# KiCad board DOOR-8CH.kicad_pcb (continued)
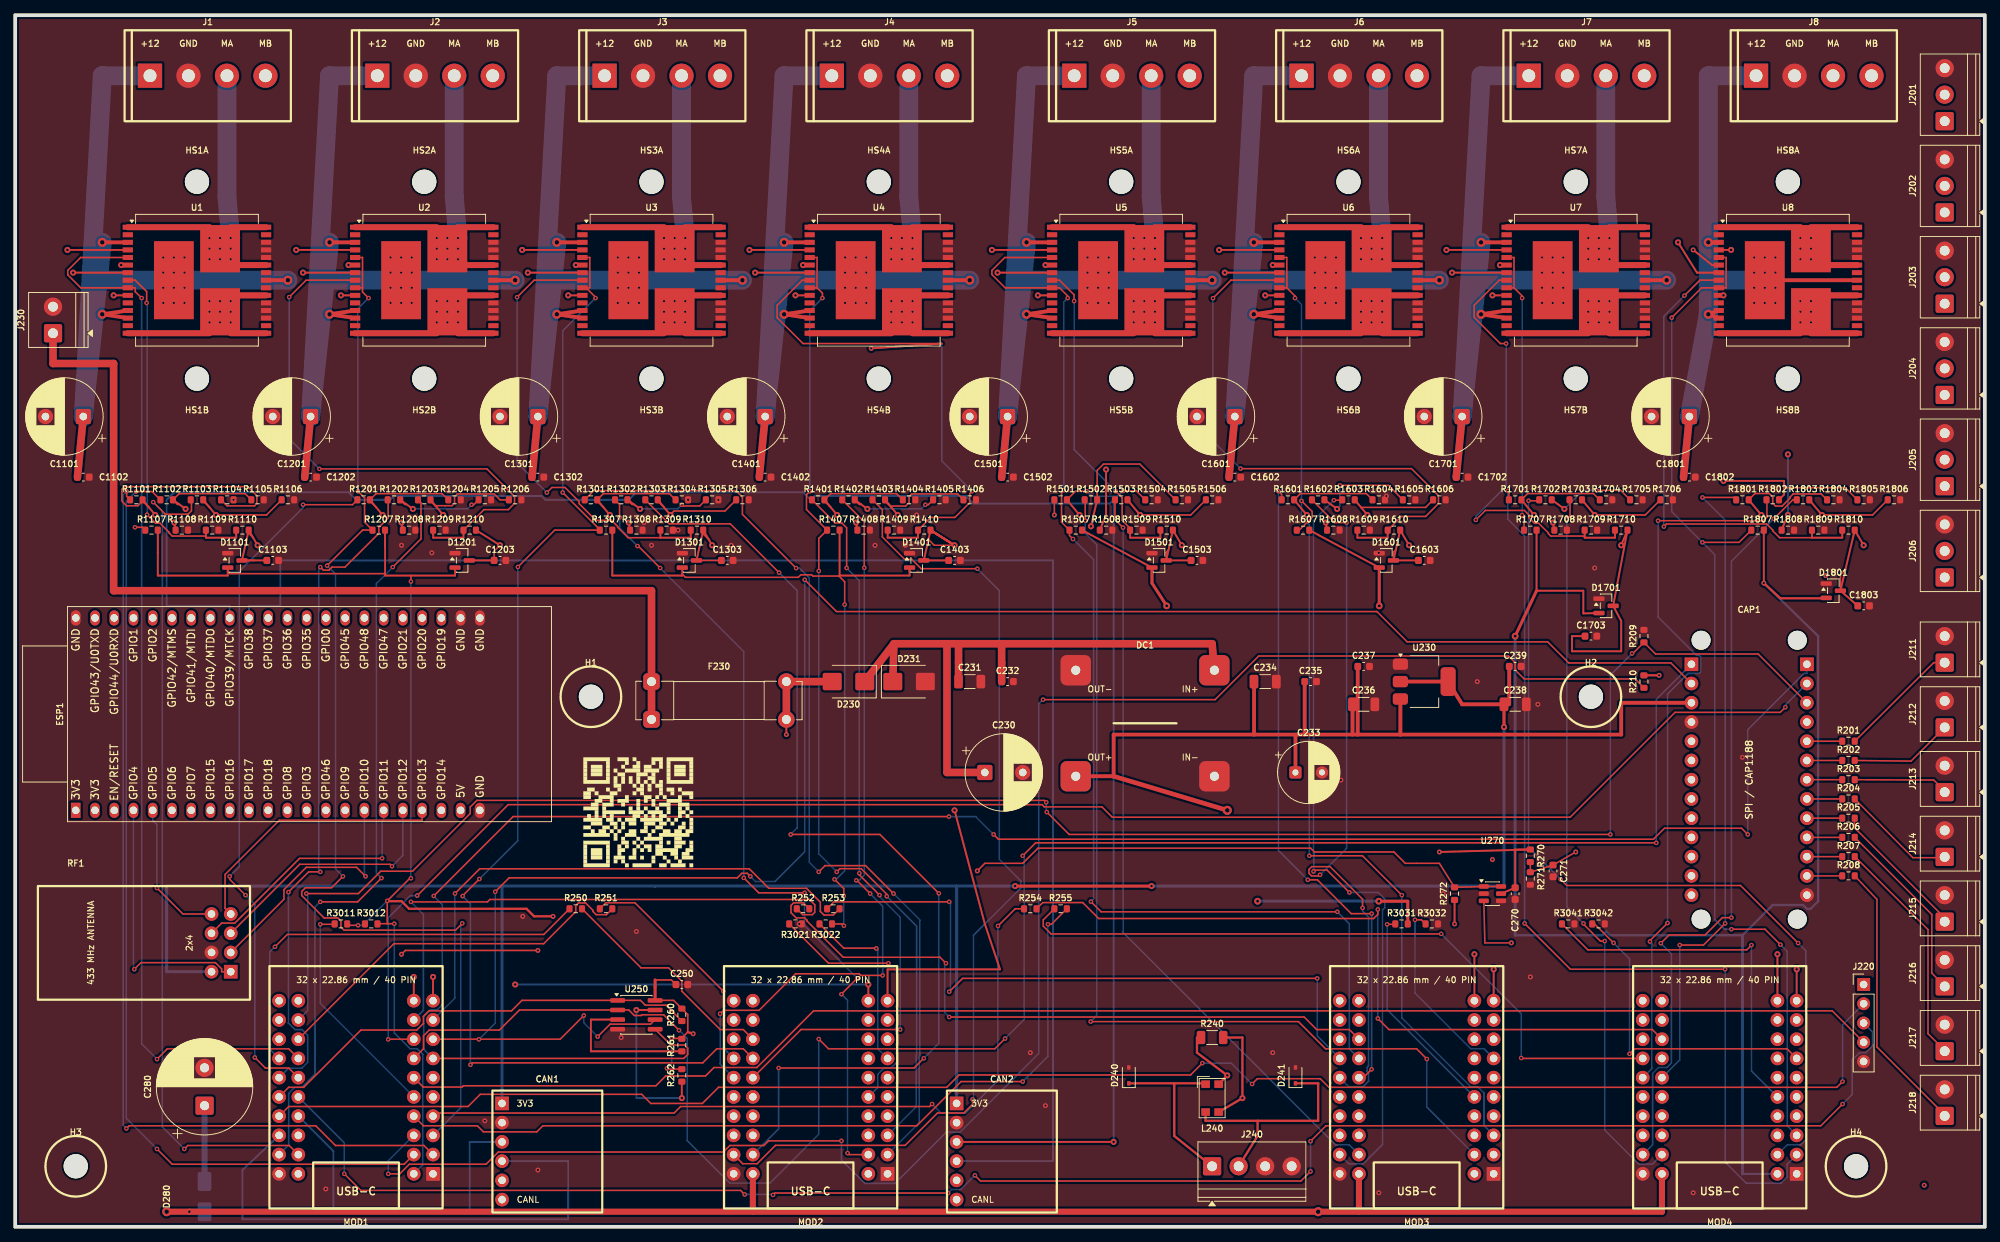
[diagram p0: board, top side]
## Routing (per net, layer and track width the routed paths; a pad name or vN(x,y) marks a point on that pad's centre or on a via; arc(x,y) is an arc through that point) (continued)
CH5_CS_DIS: length 44
  Top w0.25: v4(144,100) 144,94 R1508.1 ; U5.6 v4(136,127)
  In1.Cu w0.25: v4(136,127) 136,100 v4(144,100)
CH5_CS_RAW: length 43.8
  Top w0.2: v1(139.78,122.25) 139.78,123.07 137.85,125 U5.8 ; R1509.1 147.18,92.25 146.12,93.3 146.12,96.3 v1(145.28,97.14)
  Top w0.25: R1509.1 147.18,91 151.18,91 R1510.1
  Bottom w0.2: v1(145.28,97.14) 139.78,102.64 v1(139.78,122.25)
CH5_CURRENT_ADC: length 110
  Top w0.2: D1501.3 151.94,89.08 152.25,89.39
  Top w0.25: v4(154,90) R1510.2 152.25,89.39 D1501.3 C1503.1 ; v4(192.62,36) MOD3.20
  In1.Cu w0.25: v4(154,90) 154,36 v4(192.62,36)
CH5_DIAG: length 156.2
  Top w0.2: v1(138.42,97.27) 138.12,96.97 138.12,93.05 R1507.1 139.18,91.28 v1(139.63,90.82) ; v1(142,42.95) 143.35,41.6 v1(174.52,41.6) ; v1(138.94,122.64) 138.94,122.91 137.85,124 U5.9 130.68,124 128.93,125.75 128.93,126.29 130.64,128 U5.5
  Bottom w0.2: v1(138.94,122.64) 138.42,122.13 v1(138.42,97.27) ; v1(142,42.95) 142.36,43.3 142.36,88.1 v1(139.63,90.82) ; MOD3.27 176.11,23.51 176.11,40.01 v1(174.52,41.6)
CH5_INA: length 77
  Top w0.2: R1504.1 148.01,97.17 v1(146.24,97.17) ; R1501.2 139.96,97.14 v1(141.45,97.14)
  Top w0.25: U5.4 v4(128.93,129) ; v4(140.5,94) R1501.2
  In2.Cu w0.25: v4(140.5,94) 140.5,90 128.93,90 v4(128.93,129)
  Bottom w0.2: v1(146.24,97.17) 145.55,96.48 142.1,96.48 v1(141.45,97.14)
CH5_INA_MCU: length 121.1
  Top w0.2: R1501.1 v2(137.18,94)
  In1.Cu w0.2: v2(137.18,94) 138,95 150.5,95 196.5,49 196.5,11 195,9.5 MOD3.2
CH5_INB: length 59.5
  Top w0.2: R1502.2 142.82,99.88 143.66,100.72 148.45,100.72 R1505.1
  Top w0.25: v4(142,92.5) R1502.2 ; U5.10 v4(135,123)
  In2.Cu w0.25: v4(142,92.5) 142,94.8 135,94.8 v4(135,123)
CH5_INB_MCU: length 131.5
  Top w0.2: R1502.1 141.25,95.92 v1(141.25,93.25) ; v1(141.97,27.1) 169.39,27.1 172.98,23.51 184.99,23.51 v1(186.34,22.16)
  Bottom w0.2: v1(186.34,22.16) 186.34,15.82 MOD3.12 ; v1(141.97,27.1) 142.76,27.9 142.76,90.08 141.25,91.6 v1(141.25,93.25)
CH5_OUTA: length 58.4
  Top w0.8: U5.25 150.45,127 ; U5.30 150.45,132 ; U5.1 147.65,132
  Bottom w0.5: v2(149.05,129.16) v2(150.45,129.16) ; v2(149.05,129.16) v2(149.05,127.77) ; v2(149.05,129.16) v2(147.65,129.16) ; v2(149.05,129.16) v2(149.05,130.56) ; v2(150.45,129.16) v2(150.45,130.56) v2(149.05,130.56) ; v2(150.45,129.16) v2(150.45,127.77) v2(149.05,127.77) ; v2(149.05,127.77) v2(147.65,127.77) v2(147.65,129.16) ; v2(149.05,130.56) v2(147.65,130.56) v2(147.65,129.16)
  Bottom w2.5: J5.3 149.96,136 v2(150.45,130.56)
CH5_OUTB: length 80.3
  Top w0.8: U5.21 150.45,123 ; U5.16 150.45,118 ; U5.15 147.65,118
  In1.Cu w0.5: v2(147.65,120.84) v2(147.65,119.44) v2(149.05,119.44) ; v2(147.65,120.84) v2(147.65,122.23) v2(149.05,122.23) ; v2(147.65,120.84) v2(149.05,120.84) ; v2(150.45,120.84) v2(150.45,119.44) v2(149.05,119.44) ; v2(150.45,120.84) v2(150.45,122.23) v2(149.05,122.23) ; v2(150.45,120.84) v2(149.05,120.84) ; v2(149.05,122.23) v2(149.05,120.84) ; v2(149.05,120.84) v2(149.05,119.44)
  In1.Cu w2.5: J5.4 155.04,115 v2(150.45,119.44)
CH5_PWM: length 82.1
  Top w0.2: R1506.1 155.18,94 v4(148.5,94)
  Top w0.25: v4(148.5,94) R1503.2 ; U5.7 v4(129.68,126)
  In1.Cu w0.25: v4(129.68,126) 129.68,88 148.5,88 v4(148.5,94)
CH5_PWM_MCU: length 100.9
  Top w0.2: R1503.1 145.18,93.4 v1(146.24,92.33)
  Bottom w0.2: v1(146.24,92.33) 146.24,38.88 174.31,10.81 176.11,10.81 MOD3.22
CH6_CS_DIS: length 42.9
  Top w0.25: v4(173,93) R1608.1 ; U6.6 v4(166,127)
  In1.Cu w0.25: v4(173,93) 166,93 v4(166,127)
CH6_CS_RAW: length 76.6
  Top w0.2: R1610.1 182.98,93.8 186.18,93.8 187.88,95.51 187.88,96.55 184.31,100.12 v1(161.75,100.12) ; v1(158.11,122.63) 160.49,125 U6.8
  Top w0.25: R1610.1 181.18,91 177.18,91 R1609.1
  Bottom w0.2: v1(161.75,100.12) 158.11,103.76 v1(158.11,122.63)
CH6_CURRENT_ADC: length 82.5
  Top w0.2: 182.25,89.39 181.94,89.08 D1601.3
  Top w0.25: v4(184,90) R1610.2 182.25,89.39 D1601.3 C1603.1 ; v4(195.16,34) MOD3.10
  In2.Cu w0.25: v4(195.16,34) 184,34 v4(184,90)
CH6_DIAG: length 139.3
  Top w0.2: 167.85,124 168.94,122.91 v1(168.94,122.64) ; 167.85,124 167.85,128 U6.5 ; 167.85,124 U6.9 ; R1607.1 169.5,92 171.2,93.7 171.2,94.46 v1(169.79,95.87) ; v1(183.04,43.8) 177.84,49 v1(170.83,49)
  Bottom w0.2: v1(170.83,49) 170.83,92.67 169.79,93.7 v1(169.79,95.87) 169.79,121.79 v1(168.94,122.64) ; v1(183.04,43.8) 183.04,27.58 192.12,18.5 193.07,18.5 193.89,17.68 193.89,13.35 MOD3.3
CH6_INA: length 76.2
  Top w0.2: R1601.2 169.65,96.82 178.35,96.82 R1604.1
  Top w0.25: U6.4 v4(158.93,129) ; v4(170.5,94) R1601.2
  In2.Cu w0.25: v4(158.93,129) 158.93,90 170.5,90 v4(170.5,94)
CH6_INA_MCU: length 87.2
  Top w0.2: MOD3.26 177.95,19.7 v1(179.05,20.8) ; v1(166.76,97.14) 167.18,96.72 R1601.1 ; v1(179.05,41.36) 176.36,41.36 171.9,45.82 v1(170.63,45.82)
  Bottom w0.2: v1(166.76,97.14) 166.76,49.7 v1(170.63,45.82) ; v1(179.05,20.8) v1(179.05,41.36)
CH6_INB: length 54
  Top w0.2: R1605.1 181.26,97.91 v1(174.87,97.91)
  Top w0.25: U6.10 v4(165,123) ; v4(174.5,94.8) R1602.2
  In2.Cu w0.25: v4(165,123) 165,94.8 v4(174.5,94.8)
  Bottom w0.2: v4(174.5,94.8) 174.87,95.17 v1(174.87,97.91)
CH6_INB_MCU: length 94.1
  Top w0.2: v1(175.75,93) 174.18,93 R1602.1 ; v1(172.24,46.49) 172.09,46.34 171.13,46.34 170.78,46.69 170.78,47.19 171.16,47.56 173.57,47.56 177.86,43.27 v1(177.86,42.12)
  Bottom w0.2: MOD3.36 176.04,18.5 177.91,18.5 178.65,19.23 178.65,20.35 178.45,20.55 178.45,21.05 178.65,21.25 178.65,40.91 177.86,41.7 v1(177.86,42.12) ; v1(172.24,46.49) 175.75,50 v1(175.75,93)
CH6_OUTA: length 58.4
  Top w0.8: U6.25 180.45,127 ; U6.30 180.45,132 ; U6.1 177.65,132
  Bottom w0.5: v2(179.05,130.56) v2(179.05,129.16) ; v2(179.05,130.56) v2(180.45,130.56) v2(180.45,129.16) ; v2(179.05,130.56) v2(177.65,130.56) v2(177.65,129.16) ; v2(179.05,129.16) v2(177.65,129.16) ; v2(179.05,129.16) v2(180.45,129.16) ; v2(179.05,129.16) v2(179.05,127.77) ; v2(177.65,129.16) v2(177.65,127.77) v2(179.05,127.77) ; v2(180.45,129.16) v2(180.45,127.77) v2(179.05,127.77)
  Bottom w2.5: J6.3 179.96,136 v2(180.45,130.56)
CH6_OUTB: length 80.3
  Top w0.8: U6.21 180.45,123 ; U6.16 180.45,118 ; U6.15 177.65,118
  In1.Cu w0.5: v2(180.45,120.84) v2(180.45,122.23) v2(179.05,122.23) ; v2(180.45,120.84) v2(180.45,119.44) v2(179.05,119.44) ; v2(180.45,120.84) v2(179.05,120.84) ; v2(179.05,122.23) v2(179.05,120.84) ; v2(179.05,122.23) v2(177.65,122.23) v2(177.65,120.84) ; v2(179.05,120.84) v2(177.65,120.84) ; v2(179.05,120.84) v2(179.05,119.44) ; v2(179.05,119.44) v2(177.65,119.44) v2(177.65,120.84)
  In1.Cu w2.5: v2(180.45,119.44) 185.04,115 J6.4
CH6_PWM: length 82.6
  Top w0.2: R1606.1 186.18,95 177.66,95
  Top w0.25: v4(178.5,94) 177.66,95 R1603.2 ; U6.7 v4(159.68,126)
  In1.Cu w0.25: v4(159.68,126) 159.68,88 178.5,88 v4(178.5,94)
CH6_PWM_MCU: length 102.1
  Top w0.2: v1(171.38,46.94) 171.55,47.1 173.18,47.1 v1(176.12,44.16) ; v1(174.07,95.95) 175.12,95.95 R1603.1
  Bottom w0.2: v1(176.12,44.16) 179.93,44.16 180.8,43.29 180.8,42.15 180.5,41.85 180.5,10.88 177.95,8.33 176.05,8.33 MOD3.32 ; v1(174.07,95.95) 171.38,93.26 171.38,49.3 171.43,49.25 171.43,46.99 v1(171.38,46.94)
CH7_CS_DIS: length 42.9
  Top w0.25: v4(203,93) R1708.1 ; U7.6 v4(196,127)
  In1.Cu w0.25: v4(203,93) 196,93 v4(196,127)
CH7_CS_RAW: length 60.4
  Top w0.2: v1(196.8,116.64) 196.04,116.64 192.59,120.09 192.59,121.69 195.9,125 U7.8 ; 207.18,91.21 202.7,91.21 202.39,91.52 202.39,91.62 201.11,92.9 200.56,92.9 199.8,93.66 199.8,94.02 199.22,94.6 194.06,94.6 v1(192.81,93.35)
  Top w0.25: R1709.1 207.18,91 211.18,91 R1710.1
  Bottom w0.2: v1(196.8,116.64) 196.8,97.8 192.81,93.81 v1(192.81,93.35)
CH7_CURRENT_ADC: length 110.1
  Top w0.2: D1701.3 211.16,81.77 211.16,81.58
  Top w0.25: C1703.1 205.5,78 205.5,76 212,76 212,80 211.16,81.58 D1701.3 R1710.2 v4(212,90) ; v4(232.62,36) MOD4.20
  In1.Cu w0.25: v4(212,90) 212,36 v4(232.62,36)
CH7_DIAG: length 130.9
  Top w0.2: U7.9 197.85,124 ; 197.85,124 197.85,128 U7.5 ; 197.85,124 198.92,122.93 v1(198.92,122.64) ; v1(198.91,93.98) 199.18,93.72 R1707.1
  In1.Cu w0.2: 198.91,93.98 201,96 208,96 210.5,93.5 210.5,53 209,51.5 209,37.5 215,31.5 218,31.5 219,30.5 219,23.5 217.5,22 MOD4.27
  Bottom w0.2: v1(198.92,122.64) 198.91,122.64 v1(198.91,93.98)
CH7_INA: length 76.2
  Top w0.2: R1704.1 209.15,96 208.33,96.82 199.65,96.82 R1701.2
  Top w0.25: v4(200.5,94) R1701.2 ; U7.4 v4(188.93,129)
  In2.Cu w0.25: v4(200.5,94) 200.5,90 188.93,90 v4(188.93,129)
CH7_INA_MCU: length 126.9
  Top w0.2: R1701.1 197.18,97.06 v1(197.04,97.19) ; v1(199.25,40.07) 205.29,34.02 v1(225.71,34.02)
  Bottom w0.2: v1(199.25,40.07) 199.25,91.23 197.04,93.43 v1(197.04,97.19) ; MOD4.2 233.89,8.27 233.89,6.56 233.1,5.77 228.51,5.77 225.71,8.57 v1(225.71,34.02)
CH7_INB: length 51.8
  Top w0.2: v1(208.75,97.25) 211.92,97.25 R1705.1
  Top w0.25: v4(204.5,94.8) R1702.2 ; U7.10 v4(195,123)
  In2.Cu w0.25: v4(195,123) 195,94.8 v4(204.5,94.8)
  Bottom w0.2: v1(208.75,97.25) 206.95,97.25 v4(204.5,94.8)
CH7_INB_MCU: length 119
  Top w0.2: v1(235.35,37.47) 227.75,45.08 204.82,45.08 v1(204.01,45.88) ; R1702.1 201.05,95.88 v1(199.77,95.88)
  Bottom w0.2: v1(235.35,37.47) 236.37,36.45 236.37,11.52 235.67,10.81 233.89,10.81 MOD4.12 ; v1(204.01,45.88) 199.77,50.12 v1(199.77,95.88)
CH7_OUTA: length 58.4
  Top w0.8: U7.30 210.45,132 ; U7.25 210.45,127 ; U7.1 207.65,132
  Bottom w0.5: v2(209.05,130.56) v2(207.65,130.56) v2(207.65,129.16) ; v2(209.05,130.56) v2(209.05,129.16) ; v2(209.05,130.56) v2(210.45,130.56) v2(210.45,129.16) ; v2(209.05,129.16) v2(209.05,127.77) ; v2(209.05,129.16) v2(207.65,129.16) ; v2(209.05,129.16) v2(210.45,129.16) ; v2(209.05,127.77) v2(210.45,127.77) v2(210.45,129.16) ; v2(209.05,127.77) v2(207.65,127.77) v2(207.65,129.16)
  Bottom w2.5: J7.3 209.96,136 v2(210.45,130.56)
CH7_OUTB: length 80.3
  Top w0.8: U7.15 207.65,118 ; U7.21 210.45,123 ; U7.16 210.45,118
  In1.Cu w0.5: v2(210.45,120.84) v2(210.45,119.44) v2(209.05,119.44) ; v2(210.45,120.84) v2(209.05,120.84) ; v2(210.45,120.84) v2(210.45,122.23) v2(209.05,122.23) ; v2(209.05,120.84) v2(209.05,119.44) ; v2(209.05,120.84) v2(207.65,120.84) ; v2(209.05,120.84) v2(209.05,122.23) ; v2(209.05,119.44) v2(207.65,119.44) v2(207.65,120.84) ; v2(207.65,120.84) v2(207.65,122.23) v2(209.05,122.23)
  In1.Cu w2.5: v2(210.45,119.44) 215.04,115 J7.4
CH7_PWM: length 82.1
  Top w0.2: R1706.1 215.18,94 v4(208.5,94)
  Top w0.25: v4(208.5,94) R1703.2 ; U7.7 v4(189.68,126)
  In1.Cu w0.25: v4(208.5,94) 208.5,88 189.68,88 v4(189.68,126)
CH7_PWM_MCU: length 95.8
  Top w0.2: v1(204.84,93.44) 205.25,93.85 205.25,95.92 R1703.1 ; v1(209.82,37.74) 209.24,37.74 207.02,39.96 v1(207.02,40.07)
  Bottom w0.2: v1(209.82,37.74) 209.82,12.78 214.33,8.27 216.11,8.27 MOD4.22 ; v1(207.02,40.07) 204.84,42.25 v1(204.84,93.44)
CH8_CS_DIS: length 56.4
  Top w0.25: U8.6 224,127 v2(221.5,129) ; v4(234,94) R1808.1
  In1.Cu w0.25: v2(221.5,129) 224,127 222,127 222,111 230,111 230,102 v4(234,102)
  Bottom w0.25: v4(234,102) v4(234,94)
CH8_CS_RAW: length 63.5
  Top w0.2: U8.8 222.38,125 v1(220.34,122.96) ; v1(217.63,92.47) 217.97,92.81 231.21,92.81 232,92.02 232,91.91 232.91,91 237.18,91
  Top w0.25: R1809.1 237.18,91 241.18,91 R1810.1
  Bottom w0.2: v1(220.34,122.96) 217.63,120.25 v1(217.63,92.47)
CH8_CURRENT_ADC: length 85.6
  Top w0.2: D1801.3 240.94,86.14 241.6,86.8
  Top w0.25: C1803.1 D1801.3 241.6,86.8 R1810.2 v4(244,90) ; v4(235.16,34) MOD4.10
  In2.Cu w0.25: v4(235.16,34) 244,34 v4(244,90)
CH8_DIAG: length 138.9
  Top w0.2: v1(226.54,39.3) 230.98,39.3 v1(233.02,37.26) ; v1(222.72,90.38) 227.56,90.38 R1807.1 ; U8.5 225.85,128 225.85,124 U8.9 222.61,124 v1(218.66,120.05)
  Bottom w0.2: MOD4.3 233.89,13.35 233.89,36.39 v1(233.02,37.26) ; v1(218.66,120.05) 218.66,94.45 v1(222.72,90.38) 224.34,88.76 224.34,40.59 225.63,39.3 v1(226.54,39.3)
CH8_INA: length 64.2
  Top w0.2: R1804.1 238.39,96.78 234.71,96.78 234.29,96.36 234.29,96.22 233.24,95.17 232.37,95.17 232,95.54 232,96.37 231.54,96.83 229.66,96.83 R1801.2
  Top w0.25: U8.4 v4(226.5,129) ; v4(230.5,94) R1801.2
  In2.Cu w0.25: v4(226.5,129) 226.5,90 230.5,90 v4(230.5,94)
CH8_INA_MCU: length 87.7
  Top w0.2: R1801.1 226.86,96.32 v1(222.72,96.32) ; v1(225.71,40.07) 222.86,37.21 v1(219.73,37.21)
  Bottom w0.2: MOD4.26 219.73,22.05 v1(219.73,37.21) ; v1(222.72,96.32) 225.71,93.33 v1(225.71,40.07)
CH8_INB: length 46.2
  Top w0.2: R1805.1 241.57,97.6 233.5,97.6
  Top w0.25: U8.10 v4(225.5,123) ; R1802.2 233.5,96.7 233.5,98.5 v4(225.5,98.5)
  In2.Cu w0.25: v4(225.5,123) v4(225.5,98.5)
CH8_INB_MCU: length 97.2
  Top w0.2: R1802.1 231.23,95.95 231.23,93.72 230.75,93.24 v1(216.87,93.24) ; v1(215.8,37.68) 215.8,37.8 v1(218.11,40.12)
  Bottom w0.2: v1(218.11,40.12) 218.11,70.35 220.84,73.08 222.29,73.08 222.47,73.26 222.47,75.31 222.29,75.49 221.91,75.49 216.87,80.53 v1(216.87,93.24) ; MOD4.36 216.06,20.92 216.06,37.41 v1(215.8,37.68)
CH8_OUTA: length 54.9
  Top w0.8: U8.1 235.65,132 ; U8.30 237.05,132 ; U8.25 237.05,127
  In2.Cu w0.5: v2(235.65,129.16) v2(235.65,127.77) v2(237.05,127.77) v2(237.05,129.16) ; v2(235.65,129.16) v2(237.05,129.16) ; v2(235.65,129.16) v2(235.65,130.56) v2(237.05,130.56) v2(237.05,129.16)
  In2.Cu w2.5: J8.3 239.96,136 v2(237.05,130.56)
CH8_OUTB: length 82.8
  Top w0.8: U8.21 237.05,123 ; U8.16 237.05,118 ; U8.15 235.65,118
  In1.Cu w0.5: v2(235.65,120.84) v2(237.05,120.84) ; v2(235.65,120.84) v2(235.65,122.23) v2(237.05,122.23) v2(237.05,120.84) ; v2(235.65,120.84) v2(235.65,119.44) v2(237.05,119.44) v2(237.05,120.84)
  In1.Cu w2.5: J8.4 245.04,129 248,126 248,115 v2(237.05,119.44)
CH8_PWM: length 97.7
  Top w0.2: v4(238.5,94) 245.18,94 R1806.1
  Top w0.25: v4(238.5,94) R1803.2 ; U8.7 222,126 v4(219.5,130)
  In1.Cu w0.25: v4(219.5,130) 219.5,110 214,110 214,88 238.5,88 v4(238.5,94)
CH8_PWM_MCU: length 100.5
  Top w0.2: R1803.1 234.65,96 v1(232.14,93.49) ; v1(217.23,37.46) 218.32,38.54 223.07,38.54 225.36,40.83 v1(226.54,40.83)
  Bottom w0.2: v1(217.23,37.46) 218.63,36.06 218.63,21.65 218.01,21.04 216.92,21.04 216.15,20.27 216.15,10.85 MOD4.32 ; v1(232.14,93.49) 226.54,87.89 v1(226.54,40.83)
EEPROM_CS: length 60.1
  Top w0.2: MOD1.35 36.11,18.43 38.08,18.43 45.63,25.98 53.01,25.98 53.89,26.86 53.89,27.79 54.62,28.52 65.52,28.52 66.9,29.91 U250.1 82.54,29.91 83.18,29.27 85.91,29.27 R260.1
EEPROM_HOLD: length 22.3
  Top w0.2: 84.47,28.63 U250.7
  Top w0.25: 84.47,28.63 v4(82,28.63) ; v4(88,17) R262.1 88,19.18
  Bottom w0.25: v4(88,17) 82,17 v4(82,28.63)
EEPROM_WP: length 19.7
  Top w0.2: 88,23.18 R261.1 ; 79.52,27.37 U250.3
  Top w0.25: 88,23.18 76,23.18 76,27.37 79.53,27.37
ESP_CAN_RX_GPIO38: length 205.8
  Bottom w0.25: ESP1.35 30.86,82 35,82 35,88 137,88 137,8.68 CAN2.4
ESP_CAN_TX_GPIO39: length 257.3
  Top w0.25: v4(145,11.22) CAN2.3
  Bottom w0.25: ESP1.36 28.32,82 20,82 20,96 21,97 44,97 45,96 49.5,96 50,96.5 69.5,96.5 70,96 81,96 82,97 104,97 105,96 105.5,96.5 125.5,96.5 126.5,95.5 144.5,95.5 145,96 v4(145,11.22)
FUSED_12V_CH1: length 149.3
  Top w0.5: U1.12 v6(11.5,120.5) U1.13 ; v6(36,125) U1.23 ; v6(11.5,130) U1.3
  Top w1: C1101.1 C1102.1
  Bottom w0.5: v2(22.35,124) v2(22.35,122) v2(20.95,122) ; v2(22.35,124) v2(20.95,124) ; v2(22.35,124) v2(22.35,126) ; v2(20.95,128) v2(20.95,126) ; v2(20.95,128) v2(19.55,128) v2(19.55,126) ; v2(20.95,128) v2(22.35,128) v2(22.35,126) ; v2(20.95,126) v2(20.95,124) ; v2(20.95,126) v2(22.35,126) ; v2(20.95,126) v2(19.55,126) ; v2(20.95,124) v2(20.95,122) ; v2(20.95,124) v2(19.55,124) ; v2(20.95,122) v2(19.55,122) v2(19.55,124) ; v2(19.55,124) v2(19.55,126)
  Bottom w2.5: J1.1 11.5,152 C1101.1 v6(11.5,130) ; 11.5,125 v6(36,125)
FUSED_12V_CH2: length 149.3
  Top w0.5: U2.12 v6(41.5,120.5) U2.13 ; v6(41.5,130) U2.3 ; v6(66,125) U2.23
  Top w1: C1201.1 C1202.1
  Bottom w0.5: v2(50.95,128) v2(50.95,126) ; v2(50.95,128) v2(49.55,128) v2(49.55,126) ; v2(50.95,128) v2(52.35,128) v2(52.35,126) ; v2(50.95,126) v2(50.95,124) ; v2(50.95,126) v2(52.35,126) ; v2(50.95,126) v2(49.55,126) ; v2(52.35,126) v2(52.35,124) ; v2(52.35,124) v2(52.35,122) v2(50.95,122) ; v2(52.35,124) v2(50.95,124) ; v2(50.95,122) v2(50.95,124) ; v2(50.95,122) v2(49.55,122) v2(49.55,124) ; v2(49.55,124) v2(50.95,124) ; v2(49.55,124) v2(49.55,126)
  Bottom w2.5: 41.5,125 v6(66,125) ; v6(41.5,130) C1201.1 41.5,152 J2.1
FUSED_12V_CH3: length 149.3
  Top w0.5: U3.13 v6(71.5,120.5) U3.12 ; v6(96,125) U3.23 ; v6(71.5,130) U3.3
  Top w1: C1301.1 C1302.1
  Bottom w0.5: v2(79.55,124) v2(79.55,122) v2(80.95,122) ; v2(79.55,124) v2(79.55,126) ; v2(79.55,124) v2(80.95,124) ; v2(80.95,128) v2(80.95,126) ; v2(80.95,128) v2(79.55,128) v2(79.55,126) ; v2(80.95,128) v2(82.35,128) v2(82.35,126) ; v2(80.95,126) v2(79.55,126) ; v2(80.95,126) v2(82.35,126) ; v2(80.95,126) v2(80.95,124) ; v2(80.95,122) v2(82.35,122) v2(82.35,124) ; v2(80.95,122) v2(80.95,124) ; v2(80.95,124) v2(82.35,124) ; v2(82.35,124) v2(82.35,126)
  Bottom w2.5: v6(71.5,130) C1301.1 71.5,152 J3.1 ; 71.5,125 v6(96,125)
FUSED_12V_CH4: length 149.3
  Top w0.5: U4.13 v6(101.5,120.5) U4.12 ; v6(101.5,130) U4.3 ; v6(126,125) U4.23
  Top w1: C1401.1 C1402.1
  Bottom w0.5: v2(110.95,124) v2(112.35,124) ; v2(110.95,124) v2(110.95,122) ; v2(110.95,124) v2(110.95,126) ; v2(110.95,124) v2(109.55,124) ; v2(112.35,124) v2(112.35,126) ; v2(112.35,124) v2(112.35,122) v2(110.95,122) ; v2(109.55,126) v2(110.95,126) ; v2(109.55,126) v2(109.55,128) v2(110.95,128) ; v2(109.55,126) v2(109.55,124) ; v2(110.95,126) v2(112.35,126) ; v2(110.95,126) v2(110.95,128) ; v2(112.35,126) v2(112.35,128) v2(110.95,128) ; v2(110.95,122) v2(109.55,122) v2(109.55,124)
  Bottom w2.5: J4.1 101.5,152 C1401.1 v6(101.5,130) ; 101.5,125 v6(126,125)
FUSED_12V_CH5: length 149.3
  Top w0.5: v6(133.5,130) U5.3 ; v6(158,125) U5.23 ; U5.13 v6(133.5,120.5) U5.12
  Top w1: C1501.1 C1502.1
  Bottom w0.5: v2(141.55,124) v2(142.95,124) ; v2(141.55,124) v2(141.55,126) ; v2(141.55,124) v2(141.55,122) v2(142.95,122) ; v2(142.95,124) v2(142.95,126) ; v2(142.95,124) v2(142.95,122) ; v2(142.95,124) v2(144.35,124) ; v2(144.35,126) v2(144.35,124) ; v2(144.35,126) v2(144.35,128) v2(142.95,128) ; v2(144.35,126) v2(142.95,126) ; v2(144.35,124) v2(144.35,122) v2(142.95,122) ; v2(142.95,128) v2(142.95,126) ; v2(142.95,128) v2(141.55,128) v2(141.55,126) ; v2(142.95,126) v2(141.55,126)
  Bottom w2.5: v6(133.5,130) C1501.1 133.5,152 J5.1 ; 133.5,125 v6(158,125)
FUSED_12V_CH6: length 149.3
  Top w0.5: U6.13 v6(163.5,120.5) U6.12 ; v6(163.5,130) U6.3 ; v6(188,125) U6.23
  Top w1: C1601.1 C1602.1
  Bottom w0.5: v2(172.95,128) v2(171.55,128) v2(171.55,126) ; v2(172.95,128) v2(174.35,128) v2(174.35,126) ; v2(172.95,128) v2(172.95,126) ; v2(171.55,126) v2(172.95,126) ; v2(171.55,126) v2(171.55,124) ; v2(172.95,126) v2(174.35,126) ; v2(172.95,126) v2(172.95,124) ; v2(172.95,124) v2(174.35,124) ; v2(172.95,124) v2(171.55,124) ; v2(172.95,124) v2(172.95,122) ; v2(174.35,124) v2(174.35,122) v2(172.95,122) ; v2(174.35,124) v2(174.35,126) ; v2(171.55,124) v2(171.55,122) v2(172.95,122)
  Bottom w2.5: v6(163.5,130) C1601.1 163.5,152 J6.1 ; 163.5,125 v6(188,125)
FUSED_12V_CH7: length 149.3
  Top w0.5: U7.13 v6(193.5,120.5) U7.12 ; v6(193.5,130) U7.3 ; v6(218,125) U7.23
  Top w1: C1701.1 C1702.1
  Bottom w0.5: v2(202.95,124) v2(204.35,124) ; v2(202.95,124) v2(202.95,122) ; v2(202.95,124) v2(201.55,124) ; v2(202.95,124) v2(202.95,126) ; v2(204.35,124) v2(204.35,122) v2(202.95,122) ; v2(204.35,124) v2(204.35,126) ; v2(202.95,128) v2(202.95,126) ; v2(202.95,128) v2(201.55,128) v2(201.55,126) ; v2(202.95,128) v2(204.35,128) v2(204.35,126) ; v2(202.95,126) v2(204.35,126) ; v2(202.95,126) v2(201.55,126) ; v2(201.55,126) v2(201.55,124) ; v2(201.55,124) v2(201.55,122) v2(202.95,122)
  Bottom w2.5: 193.5,125 v6(218,125) ; J7.1 193.5,152 C1701.1 v6(193.5,130)
FUSED_12V_CH8: length 109.9
  Top w0.5: U8.13 v6(223.5,120.5) U8.12 ; U8.23 232.35,125 ; v6(223.5,130) U8.3
  Top w1: C1801.1 C1802.1
  Bottom w0.5: v2(232.35,126) v2(232.35,128) v2(230.95,128) ; v2(232.35,126) v2(230.95,126) ; v2(232.35,126) v2(232.35,124) ; v2(229.55,124) v2(230.95,124) ; v2(229.55,124) v2(229.55,122) v2(230.95,122) ; v2(229.55,124) v2(229.55,126) ; v2(230.95,124) v2(230.95,126) ; v2(230.95,124) v2(230.95,122) ; v2(230.95,124) v2(232.35,124) ; v2(230.95,126) v2(229.55,126) ; v2(230.95,126) v2(230.95,128) ; v2(232.35,124) v2(232.35,122) v2(230.95,122) ; v2(229.55,126) v2(229.55,128) v2(230.95,128)
  Bottom w2.5: J8.1 223.5,152 v6(223.5,130) v6(223.5,120.5) C1801.1 ; 223.5,125 229.55,125
LOGIC_3V3: length 299
  Top w0.2: 197.22,69 197.22,68.95 196.53,68.26 ; C239.1 197.22,71.5 197.22,71.5
  Top w0.4: v4(150,45) v4(132,45) ; 196.53,69 v4(196.53,66)
  Top w0.5: 197.22,74 197.22,69 ; 196.53,69 C238.1 191,69 U230.2 U230.2
  Bottom w0.4: v4(132,45) 124.27,45 ; 124.27,45 64.27,45 ; 124.27,45 CAN2.1 ; 64.27,45 CAN1.1 ; 64.27,45 20,45 20,33.69 RF1.2 ; v4(150,45) 196.53,45 v4(196.53,66)
LOGIC_5V: length 507.5
  Top w0.5: DC1.3 145,59.5 145,65 182.85,65 ; 170.22,72 170.22,65 ; 182.85,65 212,65 212,69.2 221.27,69.2 ; 182.85,65 U230.3 ; C233.1 169,65 ; 177.22,74 177.22,65 ; 176.53,69 176.53,65 ; 163.53,72 163.53,65
  Top w0.6: 145,59.5 v6(160,55)
  Top w0.8: 97.38,2 MOD2.21 ; MOD4.21 217.38,2 v6(20,2) ; 177.38,2 MOD3.21
  In1.Cu w0.8: v6(20,2) 20,50 58.8,50 ESP1.21
  In2.Cu w0.8: v6(160,55) 160,25 172,13 v6(172,2)
  Bottom w0.8: D280.2 v4(23,2)
LOGIC_12V_FUSED: length 203.2
  Top w0.25: U270.5 C270.1 198,49.83 R270.1 v2(188,49.5) ; F230.2 v2(101.8,65)
  Top w1: D230.2 F230.2 F230.2
  In2.Cu w0.25: v2(188,49.5) 196,41.5 196,33.5 195.5,33 184,33 182,35 182,81.5 180.5,83 120,83 v2(101.8,65)
LOGIC_12V_IN: length 130
  Top w1: F230.1 F230.1 84,84 13,84 13,114 5,114 J230.1
LOGIC_12V_PROTECTED: length 93.8
  Top w0.2: C232.1 130.22,74.5 130.22,74.5 ; 124.53,74.5 124.53,74.5 C231.1
  Top w1: 124.53,77 130.22,77 ; 124.53,77 123,77 ; 124.53,77 124.53,72 ; 130.22,77 130.22,72 ; 130.22,77 158,77 DC1.1 ; 123,77 116,77 ; 123,77 123,60 C230.1 ; D231.1 116,77 ; 116,77 D230.1
PGOOD_SENSE: length 32.5
  Top w0.2: U270.3 194,37.5 v2(197.5,37.5) ; v2(206,49.5) C271.1 R271.1 R270.2
  In1.Cu w0.2: v2(206,49.5) 200,43.5 200,42.5 199.5,42 199.5,41.5 198.5,40.5 198.5,39.5 198,39 198,38 v2(197.5,37.5)
POWER_GOOD: length 169.5
  Top w0.2: v2(127,47) 128,48 133,48 135,50 171,50 171.5,49.5 182,49.5 183.5,48 188,48 R272.2 U270.1 U270.6 ; v2(51,36) 51.5,36.5 v2(69,36.5)
  In1.Cu w0.2: v2(69,36.5) 77.5,45 111.5,45 113.5,47 v2(127,47) ; v2(51,36) 50.5,36 50,35.5 49.5,35.5 49,35 48,35 47.5,34.5 47,34.5 46.5,34 46,34 45.5,33.5 45,33.5 44.5,33 44,33 43.5,32.5 42.5,32.5 42,32 41.5,32 41,31.5 40.5,31.5 40,31 39.5,31 39,30.5 38,30.5 37.5,30
REED_A_CLOSED: length 313.8
  In1.Cu w0.2: MOD1.5 55,17 57,19 57,22 64.5,29.5 64.5,64 92,91.5 93.5,90 93.5,89.5 98.5,84.5 114.5,84.5 118.5,88.5 118.5,91 128,100.5 128,126.5 152,150.5 152,152 154,154 246,154 248.5,151.5 248.5,143.5 J202.2
REED_A_IN_PLACE: length 372.8
  In1.Cu w0.2: J203.2 256.5,127.5 256.5,142 254.5,144 254,144 249.5,148.5 249.5,151.5 246,155 63,155 60,152 60,128 54.5,122.5 54.5,115 62,107.5 63,82.2 63,52.5 55.5,45 47.5,45 33,30.5 33,27 35,25 MOD1.38
REED_A_OPEN: length 334.2
  In2.Cu w0.2: J201.2 250,154 225.5,154 203,131.5 68,131.5 59.5,123 59.5,95 51.5,87 51.5,82.5 63,82.2 63,45.5 54,36.5 54,32.5 55,31.5 55.5,31.5 57,30 57,21.5 55,19.5 MOD1.6
REED_B_CLOSED: length 308.1
  In1.Cu w0.2: MOD2.5 115,17 118,20 118,31 112.5,36.5 112.5,38 109.5,41 108,39.5 108,9.5 116.5,1 169,1 171.5,3.5 251,3.5 253,5.5 253,100 J205.2
REED_B_IN_PLACE: length 523.3
  In2.Cu w0.2: MOD2.38 95,25 94.5,25 71.5,2 55.5,2 51,6.5 51,18.5 38,31.5 26,31.5 6,51.5 6,78.5 5.5,78.5 5.5,82.5 20,82.5 20,91 29.5,99.5 29.5,123 38,131.5 51,131.5 74.5,155 255.5,155 256.5,154 256.5,91 J206.2
REED_B_OPEN: length 320.3
  In2.Cu w0.2: J204.2 242.5,101.5 242.5,87.5 223,68 223,43.5 218,38.5 218,35 197,14 197,6.5 196,5.5 174,5.5 173,6.5 173,22 161.5,33.5 161.5,55 160,56.5 158.5,55 158.5,23 162.5,19 162.5,18 163,17.5 163,16.5 148.5,2 123.5,2 117,8.5 117,17.5 115,19.5 MOD2.6
RF_CSN: length 32.5
  Top w0.2: RF1.3 35.47,43.24 35.47,44.52 38.43,47.48 45.06,47.48 v1(46.26,46.28)
  Bottom w0.2: ESP1.16 46.1,46.44 v1(46.26,46.28)
RF_GDO0: length 34.8
  Top w0.2: RF1.1 27.26,33.69 27.26,34.07 26.43,34.89 16.6,34.89 v1(15.73,34.02)
  Bottom w0.2: v1(15.73,34.02) 15.62,34.12 ESP1.4
RF_GDO2: length 19.1
  Top w0.2: RF1.8 22.15,41.31 v1(18.72,44.74)
  Bottom w0.2: ESP1.5 18.16,53.7 18.72,53.14 v1(18.72,44.74)
RF_MISO: length 35.8
  Top w0.2: RF1.7 27.71,42.06 27.71,46.53 34.88,53.7 53.72,53.7 ESP1.19
RF_MOSI: length 33
  Top w0.2: v1(48.44,48.66) 37.54,48.66 28.99,40.11 27.26,40.11 RF1.6
  Bottom w0.2: ESP1.17 48.64,53.7 48.44,53.5 v1(48.44,48.66)
RF_SCK: length 33.1
  Top w0.2: v1(49.74,47.62) 49.48,47.88 37.57,47.88 RF1.5
  Bottom w0.2: v1(49.74,47.62) 51.18,49.06 ESP1.18
S1_3V3: length 626.1
  Top w0.2: 28.06,86.53 28.33,86.26 48.83,86.26 ; 28.06,86.53 D1101.2 ; 28.06,86.53 28.06,86.53 ; 48.83,89.76 48.83,89.77 R1207.2 ; 58.06,86.53 58.06,86.53 D1201.2 ; v1(52.24,46.03) 52.11,46.03 v1(49.12,43.05) 49.12,40.03 ; 84.47,32.6 86.62,32.6 C250.1 ; R262.2 86.14,20.82 v1(86.04,20.92) ; v1(45.27,39.82) 44.01,39.82 R3011.2 ; 18.83,89 18.82,89 R1107.2 ; v1(50.05,40.03) 49.12,40.03 ; 49.12,40.03 47.85,40.03 R3012.2 ; 87.94,24.88 R261.2 ; 87.94,24.88 88.78,25.72 88.78,28.05 R260.2 86.92,29.91 U250.8 84.47,31.7 84.47,31.71 ; 87.94,24.88 v1(86.65,24.88) ; v1(52.24,85.22) 52.24,86
  Top w0.25: 58.06,87.05 58.06,86 48.83,86 48.83,92 ; 18.83,92 18.83,86 28.06,86 28.06,87.05 ; R272.1 v2(190,40)
  Top w0.3: 49,43 51,43 52,42 67.5,42 68.5,41 v2(71,41) ; R210.2 v2(217,72.83) ; v2(89.5,25.5) 88.78,25.72
  Top w0.4: 84.47,32.6 84.47,29.91
  In1.Cu w0.25: v2(195,48.5) 195,45 v2(190,40)
  In1.Cu w0.3: J203.1 254.5,122 253,120.5 253,101.5 239,87.5 v2(239,86) ; v2(239,86) 244,81 J220.1 ; v2(239,86) 228,86 217,75 v2(217,72.83)
  In2.Cu w0.25: v2(195,48.5) 195,49.5 216,70.5 216,71 216.5,71.5 216.5,72.5 217,73
  In2.Cu w0.3: J203.1 253,123.5 253,132.5 254.5,134 J202.1 253,135.5 253,144.5 254.5,146 J201.1 ; 52.24,85.22 58,91 65,91 67,89 176,89 178,91 187,91 189,89 241.5,89 241.5,88.5 v2(239,86) ; v2(89.5,25.5) 88,27 86.5,27 74.5,39 73,39 v2(71,41)
  Bottom w0.2: v1(49.12,43.05) 45.89,39.82 v1(45.27,39.82) ; MOD1.11 53.83,8.21 53.83,22.75 53.07,23.51 52.14,23.51 50.05,25.6 v1(50.05,40.03) ; v1(86.04,20.92) 86.65,21.54 v1(86.65,24.88) ; v1(52.24,46.03) v1(52.24,85.22)
S1_5V_HOLD: length 28.3
  In1.Cu w0.5: C280.1 33,8 33,6.5 34,5.5 36,5.5 37.5,7
  Bottom w0.8: D280.1 C280.1
S1_CAN_RX: length 72.6
  Bottom w0.25: CAN1.4 73,8.68 73,1 30,1 30,7.5 MOD1.33
S1_CAN_TX: length 46
  Bottom w0.25: CAN1.3 60,11.22 60,2 42,2 42,10 MOD1.24
S1_NRST: length 197.8
  Top w0.2: MOD1.16 53.87,18.45 58.99,18.45 59.17,18.63 84.57,18.63 85.87,19.93 91.13,19.93 92.24,21.04 97.91,21.04 105.39,28.52 239.86,28.52 J220.4
S1_SLOT_ID0: length 29.8
  Top w0.2: v1(40.28,39.95) 42.13,39.95 R3011.1
  Bottom w0.2: v1(40.28,39.95) 40.28,29.5 MOD1.15
S1_SWCLK: length 232.8
  Top w0.2: v1(96.29,4.28) 95.76,4.81 45.63,4.81 v1(43.44,7) ; v1(126.68,6.8) 127.43,6.05 169.72,6.05 v1(170.99,7.32) ; v1(100.04,4.22) 100.28,4.46 v1(123.15,4.46) ; v1(241.22,16.22) 238.35,13.35 173.03,13.35 v1(170.99,11.31)
  Bottom w0.2: MOD1.25 43.44,11.1 v1(43.44,7) ; v1(96.29,4.28) 99.98,4.28 v1(100.04,4.22) ; v1(126.68,6.8) 124.82,4.94 123.62,4.94 v1(123.15,4.46) ; v1(170.99,11.31) v1(170.99,7.32) ; J220.3 245.18,25.74 245.18,23.91 244.26,22.99 243.45,22.99 242.48,22.03 242.48,17.48 v1(241.22,16.22)
S1_SWDIO: length 223.9
  Top w0.2: MOD1.34 36.11,15.89 59.78,15.89 61.39,17.5 82.7,17.5 83.91,16.29 90.71,16.29 92.85,18.43 122.97,18.43 124.6,20.06 155.16,20.06 v1(156.72,21.62) ; v1(163.28,18.87) 163.97,19.56 172.28,19.56 173.41,18.43 240.47,18.43 v1(241.22,19.18)
  Bottom w0.2: v1(241.22,19.18) 241.22,26.68 J220.2 ; v1(156.72,21.62) 160.52,21.62 v1(163.28,18.87)
S1_UART1_RX: length 50.4
  Top w0.2: R251.2 78.04,41.22 76.7,41.22 76.27,41.65 76.27,41.8 75.28,42.78 74.36,42.78 74,42.42 74,41.62 69.76,37.39 49.99,37.39 MOD1.28
S1_UART1_TX: length 56.5
  Top w0.2: v1(34.3,36.98) 35.92,38.61 69.79,38.61 R250.1
  Bottom w0.2: v1(34.3,36.98) 33.61,36.3 33.61,23.47 MOD1.37
S1_UART2_RX: length 73.6
  Top w0.2: v1(58.05,44.02) 61.33,47.29 96.9,47.29 99.47,44.71 104.45,44.71 106.28,42.88 106.28,41.65 106.77,41.17 107.99,41.17 R253.2
  Bottom w0.2: MOD1.9 58.05,30.21 v1(58.05,44.02)
S1_UART2_TX: length 74.3
  Top w0.2: R252.1 103.95,41.22 105.23,41.22 105.55,41.54 105.55,42.53 104.85,43.23 62.67,43.23 62.35,42.91 v1(52.24,42.91)
  Bottom w0.2: MOD1.19 53.89,28.59 53.89,41.27 v1(52.24,42.91)
S1_UART3_RX: length 109.5
  Top w0.2: v1(136.33,39.95) 136.78,39.95 R255.2 ; MOD1.14 53.89,13.35 61.01,13.35 61.82,12.54 68.86,12.54 69.66,13.35 119.02,13.35 124.86,19.18 v1(133,19.18)
  Bottom w0.2: v1(136.33,39.95) 136.33,22.52 v1(133,19.18)
S1_UART3_TX: length 102.3
  Top w0.2: MOD1.4 55.57,15.03 86.98,15.03 87.84,15.89 120.71,15.89 v1(121.04,16.22) ; R254.1 132,42 v1(129.73,39.73)
  Bottom w0.2: v1(129.73,39.73) 129.73,19.33 125.43,15.03 122.22,15.03 v1(121.04,16.22)
S2_3V3: length 390.1
  Top w0.2: 118.06,86.53 118.06,86.53 D1401.2 ; 88.06,86.19 88.48,85.77 103.37,85.77 103.7,86.1 105.14,86.1 105.31,85.93 108.75,85.93 ; R3022.2 109.16,40 v1(109.39,39.77) ; 108.75,85.93 109.5,85.18 v1(109.5,82.16) ; 108.75,85.93 108.83,86.01 ; v1(109.38,43.71) 109.38,44.67 v1(108.16,45.89)
  Top w0.25: R1407.2 108.83,86 118.06,86 D1401.2 ; D1301.2 88.06,86 78.83,86 R1307.2
  In1.Cu w0.3: 109.39,39.77 109.5,31.5 111,30 111,8.5 112.5,7 MOD2.11 117.5,2 169,2 172.5,5.5 v2(252,5.5)
  In2.Cu w0.3: J204.1 254.5,110 253,108.5 253,99.5 J205.1 254.5,98 253,96.5 253,87.5 J206.1 254.5,86 252,83.5 v2(252,5.5)
  Bottom w0.2: v1(108.16,45.89) 108.39,45.89 109.5,47 v1(109.5,82.16) ; v1(109.38,43.71) 109.38,39.79 v1(109.39,39.77)
S2_SLOT_ID0: length 35.6
  Top w0.2: R3021.1 107.36,34.81 v1(115.27,34.81)
  Bottom w0.2: v1(115.27,34.81) 116.4,33.68 116.4,26.48 116.23,26.31 116.23,25.81 116.4,25.65 116.4,21.77 115.6,20.97 114.7,20.97 113.89,20.16 113.89,18.43 MOD2.15
S2_SLOT_ID1: length 24
  Top w0.2: v1(113.67,36.76) 113.63,36.8 109.37,36.8 R3022.1
  Bottom w0.2: v1(113.67,36.76) 113.89,36.54 113.89,23.51 MOD2.7
S2_UART_RX: length 30.5
  Top w0.2: R250.2 82.62,34.2 86.25,34.2 88,32.45 88,31.12 93.07,26.05 96.11,26.05 MOD2.28
S2_UART_TX: length 31.1
  Top w0.2: v1(93.48,31.12) 81.81,42.79 77.96,42.79 R251.1
  Bottom w0.2: MOD2.37 93.48,23.6 93.48,27.71 93.65,27.88 93.65,28.38 93.48,28.56 v1(93.48,31.12)
S3_3V3: length 186.1
  Top w0.25: R1507.2 D1501.2 ; R1607.2 D1601.2
  Top w0.4: D1501.2 150.06,85 v5(152,82) ; v5(180,43) 183.82,43 R3031.2 ; D1601.2 v5(180.06,82)
  In2.Cu w0.4: 164,82 164,32 188,32 188,7 MOD3.11 ; v5(152,82) v5(180.06,82)
  Bottom w0.4: v5(180,43) v5(164,43)
S3_SLOT_ID0: length 28.7
  Top w0.2: v1(181.1,39.95) 182.12,39.95 R3031.1
  Bottom w0.2: v1(181.1,39.95) 181.1,28.68 MOD3.15
S3_SLOT_ID1: length 25.2
  Top w0.2: v1(184.78,40.54) 185.64,40.54 R3032.1
  Bottom w0.2: MOD3.7 193.89,23.51 192.12,23.51 184.78,30.85 v1(184.78,40.54)
S3_UART_RX: length 89.8
  Top w0.2: v1(123.3,27.71) 170.15,27.71 171.8,26.05 176.11,26.05 MOD3.28 ; R252.2 104.04,42.79 102.76,42.79 102.41,42.43 102.41,41.49 103.1,40.8 104.21,40.8 104.53,40.48 104.53,40.37 109.3,35.6 122.08,35.6 v1(122.86,34.81)
  Bottom w0.2: v1(123.3,27.71) 122.7,28.31 122.7,34.65 v1(122.86,34.81)
S3_UART_TX: length 89.6
  Top w0.2: R253.1 108.09,42.92 v1(123.3,42.92) ; v1(171.88,32.81) 125.06,32.81 v1(123.3,31.05)
  Bottom w0.2: v1(171.88,32.81) 171.88,25.2 MOD3.37 ; v1(123.3,31.05) 123.46,31.22 123.46,42.75 v1(123.3,42.92)
S4_3V3: length 205.2
  Top w0.25: R1807.2 v2(230.82,85) ; R1707.2 200.82,84 207,84 207,81 D1701.2
  Top w0.3: v2(230.82,85) 233,83 239,83 D1801.2
  Top w0.4: 200.82,84 v5(198,78)
  Bottom w0.3: 198,38.5 209.5,38.5 210,39 210.5,38.5 228,38.5 232,42.5 236,42.5 236.5,42 237,42 238,43 238,78 v2(230.82,85) ; MOD4.11 228,7
  Bottom w0.4: v5(198,78) 198,38.5 ; 228,38.5 228,7
S4_SLOT_ID0: length 48.2
  Top w0.2: R3041.1 207.59,36.58 228.57,36.58 v1(229.19,37.2)
  Bottom w0.2: MOD4.15 229.19,20.59 v1(229.19,37.2)
S4_SLOT_ID1: length 42.2
  Top w0.2: R3042.1 208.49,40 v1(211,37.49) ; v1(213.1,22.84) 213.76,23.51 233.89,23.51 MOD4.7
  Bottom w0.2: v1(211,37.49) 213.1,35.39 v1(213.1,22.84)
S4_UART_RX: length 100.2
  Top w0.2: v1(179.88,41.91) 179.88,41.27 179.32,40.72 143.02,40.72 140.91,42.82 135.65,42.82 R254.2 ; MOD4.28 216.11,26.05 181.34,26.05 v1(179.88,27.51)
  Bottom w0.2: v1(179.88,41.91) v1(179.88,27.51)
S4_UART_TX: length 92.7
  Top w0.2: MOD4.37 198.85,22.24 v1(198.79,22.3) ; v1(188.23,38.69) 136.73,38.69 135.71,39.71 135.71,40.53 R255.1
  Bottom w0.2: v1(198.79,22.3) 198.79,28.12 v1(188.23,38.69)

## Copper pours and planes (outline as drawn; the poured copper is in the pictures)
GND on Top: 0.5,159.5 259.5,159.5 259.5,0.5 0.5,0.5
GND on Bottom: 0.5,159.5 259.5,159.5 259.5,0.5 0.5,0.5
GND on In1.Cu: 0.5,159.5 259.5,159.5 259.5,0.5 0.5,0.5
GND on In2.Cu: 0.5,159.5 259.5,159.5 259.5,0.5 0.5,0.5
